# KiCad board mtk64_R_rev2.kicad_pcb (continued)
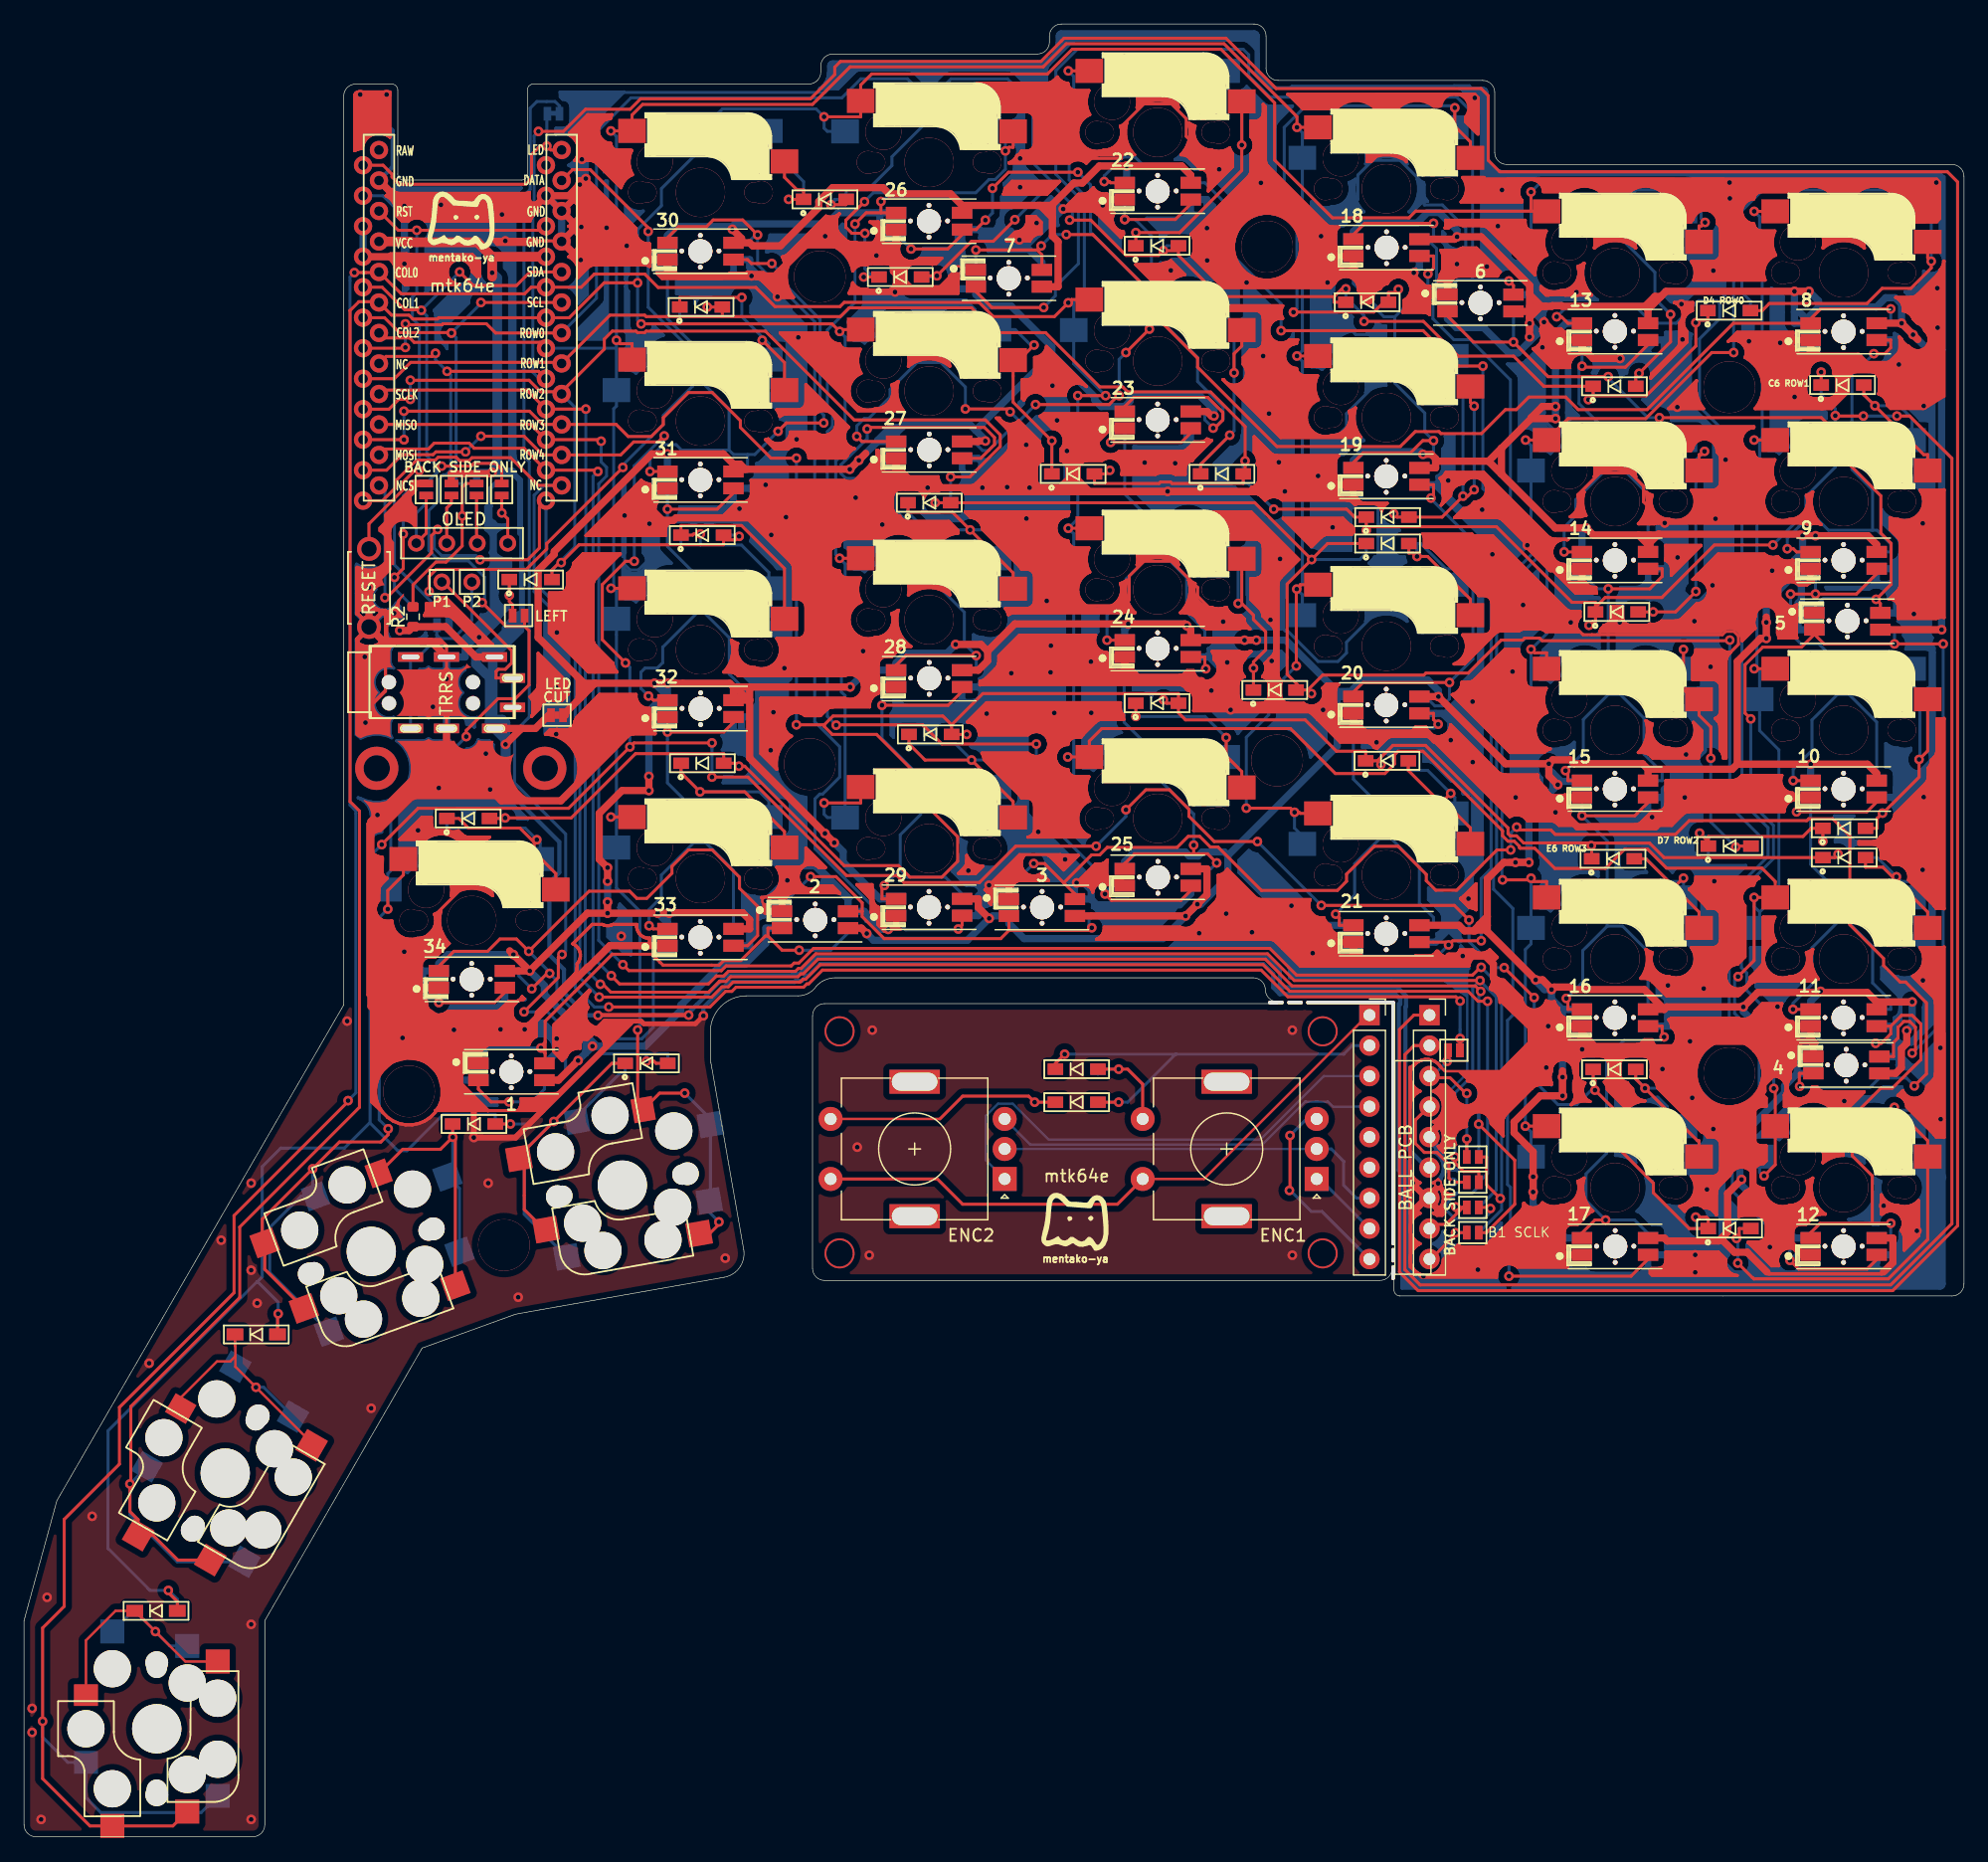
[diagram p0: board, top side]
## Routing (per net, layer and track width the routed paths; a pad name or vN(x,y) marks a point on that pad's centre or on a via; arc(x,y) is an arc through that point) (continued)
142.61,55.67 ; 142.8,55.75 142.61,55.67 ; 129.94,124.8 129.96,124.8 ; 129.94,124.8 129.94,124.82 ; 129.94,124.8 129.94,124.82 ; 129.94,124.8 129.96,124.8 ; 129.96,124.8 129.96,124.55 ; 129.96,124.8 129.96,124.55 ; 84.46,123.27 84.65,123.34 ; 84.46,123.27 84.65,123.34 ; 89.57,79.45 89.76,79.53 ; 89.57,79.45 89.76,79.53 ; 121.86,112.11 121.86,112.31 ; 121.86,112.11 121.86,112.31 ; 121.86,112.11 121.82,111.91 ; 121.86,112.11 121.82,111.91 ; 121.86,112.31 121.82,112.51 ; 121.86,112.31 121.82,112.51 ; 126.47,125.96 126.47,126.16 ; 126.47,125.96 126.43,125.76 ; 126.47,125.96 126.43,125.76 ; 126.47,125.96 126.47,126.16 ; 126.47,126.16 126.45,126.25 ; 126.47,126.16 126.45,126.25 ; 124.64,137.5 124.56,137.31 ; 124.64,137.5 124.56,137.31 ; 82.08,139.44 82.26,139.51 ; 82.08,139.44 82.26,139.51 ; 82.26,139.51 82.43,139.63 ; 82.26,139.51 82.43,139.63 ; 102.87,114 102.86,114.13 ; 102.87,114 102.87,113.05 ; 102.87,114 102.86,114.13 ; 102.87,114 102.87,113.05 ; 118.26,111.62 118.22,111.82 ; 118.26,111.62 118.22,111.82 ; 118.26,111.62 118.26,111.42 ; 118.26,111.62 118.26,111.42 ; 118.22,111.82 118.2,111.88 ; 118.22,111.82 118.2,111.88 ; 79.82,109.16 79.75,109.35 ; 79.82,109.16 79.86,108.96 ; 79.82,109.16 79.75,109.35 ; 79.82,109.16 79.86,108.96 ; 79.75,109.35 79.63,109.52 ; 79.75,109.35 79.63,109.52 ; 126.71,126.31 126.78,126.13 ; 126.71,126.31 126.78,126.13 ; 126.71,126.31 126.67,126.47 ; 126.71,126.31 126.67,126.47 ; 126.78,126.13 126.9,125.96 ; 126.78,126.13 126.9,125.96 ; 104.48,96.83 104.48,96.8 ; 104.48,96.83 104.48,96.8 ; 104.48,96.83 104.48,96.87 ; 104.48,96.83 104.48,96.87 ; 104.48,96.8 104.49,96.69 ; 104.48,96.8 104.49,96.69 ; 102.54,78.32 100.26,80.59 ; 102.54,78.32 100.26,80.59 ; 43,94.24 42.97,94.12 ; 43,94.24 43.06,94.35 ; 43,94.24 42.97,94.12 ; 43,94.24 43.06,94.35 ; 42.97,94.12 42.95,94 ; 42.97,94.12 42.95,94 ; 141.35,114.81 141.34,114.93 ; 141.35,114.81 141.35,112.81 ; 141.35,114.81 141.35,112.81 ; 141.35,114.81 141.34,114.93 ; 141.34,114.93 141.3,115.05 ; 141.34,114.93 141.3,115.05 ; 139.04,131.03 139.16,130.74 ; 139.04,131.03 139.16,130.74 ; 71.06,118.94 71.34,119 ; 71.06,118.94 71.34,119 ; 154.42,122.54 154.61,122.62 ; 154.42,122.54 154.22,122.5 ; 154.42,122.54 154.22,122.5 ; 154.42,122.54 154.61,122.62 ; 154.61,122.62 154.78,122.73 ; 154.61,122.62 154.78,122.73 ; 68.03,105.14 68.11,105.04 ; 68.03,105.14 67.97,105.25 ; 68.03,105.14 68.11,105.04 ; 68.03,105.14 67.97,105.25 ; 126.28,62.66 126.16,62.64 ; 126.28,62.66 126.33,62.66 ; 126.28,62.66 126.33,62.66 ; 126.28,62.66 126.16,62.64 ; 147.53,105.5 147.38,105.34 ; 147.53,105.5 148.73,105.5 ; 147.53,105.5 147.38,105.34 ; 147.53,105.5 148.73,105.5 ; 147.38,105.34 147.37,105.13 ; 147.38,105.34 147.37,105.13 ; 89.54,102.29 89.84,102.35 ; 89.54,102.29 89.84,102.35 ; 89.54,102.29 89.22,102.29 ; 89.54,102.29 89.22,102.29 ; 89.84,102.35 89.94,102.39 ; 89.84,102.35 89.94,102.39 ; 35.63,78.66 35.63,79.08 ; 35.63,78.66 35.58,78.4 ; 35.63,78.66 35.63,79.08 ; 35.63,78.66 35.58,78.4 ; 35.63,79.08 35.57,79.42 ; 35.63,79.08 35.57,79.42 ; 102,123.64 102.04,123.69 ; 102,123.64 102.04,123.69 ; 102.04,123.69 102.09,123.76 ; 102.04,123.69 102.09,123.76 ; 73.46,99.16 73.43,99.15 ; 73.46,99.16 73.5,99.15 ; 73.46,99.16 73.43,99.15 ; 73.46,99.16 73.5,99.15 ; 73.43,99.15 73.31,99.14 ; 73.43,99.15 73.31,99.14 ; 82.05,115.53 82.08,115.66 ; 82.05,115.53 82.08,115.66 ; 135.58,92.03 135.63,91.74 ; 135.58,92.03 135.63,91.74 ; 135.58,92.03 135.58,92.32 ; 135.58,92.03 135.58,92.32 ; 135.63,91.74 135.74,91.47 ; 135.63,91.74 135.74,91.47 ; 102.25,134.92 101.79,134.61 ; 102.25,134.92 101.79,134.61 ; 97.19,95.43 97.08,95.49 ; 97.19,95.43 97.08,95.49 ; 97.08,95.49 96.96,95.53 ; 97.08,95.49 96.96,95.53 ; 53.63,109.35 53.55,109.26 ; 53.63,109.35 53.55,109.26 ; 115.43,128.42 115.5,128.6 ; 115.43,128.42 115.5,128.6 ; 28.43,131.62 28.44,131.63 ; 28.43,131.62 28.44,131.63 ; 84.88,114.63 84.86,114.63 ; 84.88,114.63 84.86,114.63 ; 84.88,114.63 84.88,115.57 ; 84.88,114.63 84.88,115.57 ; 72.66,108.59 72.25,108.51 ; 72.66,108.59 72.25,108.51 ; 141.35,57.66 141.34,57.78 ; 141.35,57.66 141.35,55.66 ; 141.35,57.66 141.34,57.78 ; 141.35,57.66 141.35,55.66 ; 141.34,57.78 141.3,57.9 ; 141.34,57.78 141.3,57.9 ; 104.08,126.26 103.93,126.12 ; 104.08,126.26 103.93,126.12 ; 104.08,126.26 104.25,126.37 ; 104.08,126.26 104.25,126.37 ; 103.93,126.12 103.82,125.95 ; 103.93,126.12 103.82,125.95 ; 72.42,111.84 72.38,111.73 ; 72.42,111.84 72.38,111.73 ; 72.38,111.73 72.37,111.6 ; 72.38,111.73 72.37,111.6 ; 155.84,52.1 155.64,52.14 ; 155.84,52.1 156.03,52.02 ; 155.84,52.1 156.03,52.02 ; 155.84,52.1 155.64,52.14 ; 104.39,115.04 104.43,115.05 ; 104.39,115.04 104.35,115.05 ; 104.39,115.04 104.35,115.05 ; 104.39,115.04 104.43,115.05 ; 104.43,115.05 109.54,115.05 ; 104.43,115.05 109.54,115.05 ; 129.4,137.41 129.01,137.25 ; 129.4,137.41 129.01,137.25 ; 129.4,137.41 129.81,137.49 ; 129.4,137.41 129.81,137.49 ; 129.01,137.25 128.66,137.01 ; 129.01,137.25 128.66,137.01 ; 64.85,115.76 64.66,115.83 ; 64.85,115.76 64.66,115.83 ; 64.66,115.83 64.46,115.87 ; 64.66,115.83 64.46,115.87 ; 103.1,78.06 103.14,78.07 ; 103.1,78.06 103.14,78.07 ; 103.1,78.06 103.06,78.07 ; 103.1,78.06 103.06,78.07 ; 103.14,78.07 107.17,78.07 ; 103.14,78.07 107.17,78.07 ; 103.09,94.41 103.21,94.42 ; 103.09,94.41 103.21,94.42 ; 103.09,94.41 101.78,94.41 ; 103.09,94.41 101.78,94.41 ; 103.21,94.42 103.33,94.46 ; 103.21,94.42 103.33,94.46 ; 88.11,139.65 87.91,139.69 ; 88.11,139.65 88.3,139.57 ; 88.11,139.65 88.3,139.57 ; 88.11,139.65 87.91,139.69 ; 87.91,139.69 87.7,139.69 ; 87.91,139.69 87.7,139.69 ; 141.34,133.98 141.3,134.1 ; 141.34,133.98 141.3,134.1 ; 45.51,134.22 45.58,134.46 ; 45.51,134.22 45.58,134.46 ; 52.12,74.35 52.12,74.28 ; 52.12,74.35 52.28,74.35 ; 52.12,74.35 52.28,74.35 ; 52.12,74.35 52.12,74.28 ; 52.12,74.28 49.05,74.28 ; 52.12,74.28 49.05,74.28 ; 118.75,128.33 118.73,128.33 ; 118.75,128.33 118.73,128.33 ; 118.75,128.33 118.75,128.59 ; 118.75,128.33 118.75,128.59 ; 118.73,128.33 118.73,128.31 ; 118.73,128.33 118.73,128.31 ; 156.57,127.17 156.57,127.37 ; 156.57,127.17 156.57,127.37 ; 156.57,127.17 156.56,127.11 ; 156.57,127.17 156.56,127.11 ; 156.57,127.37 156.53,127.57 ; 156.57,127.37 156.53,127.57 ; 124.87,100.59 124.73,100.55 ; 124.87,100.59 124.73,100.55 ; 124.87,100.59 124.98,100.61 ; 124.87,100.59 124.98,100.61 ; 124.73,100.55 124.6,100.48 ; 124.73,100.55 124.6,100.48 ; 30.65,76.17 30.71,75.86 ; 30.65,76.17 30.71,75.86 ; 140.87,52.01 140.84,52.03 ; 140.87,52.01 140.96,51.89 ; 140.87,52.01 140.96,51.89 ; 140.87,52.01 140.84,52.03 ; 140.84,52.03 140.74,52.13 ; 140.84,52.03 140.74,52.13 ; 157.35,126.57 157.24,126.74 ; 157.35,126.57 157.41,126.42 ; 157.35,126.57 157.41,126.42 ; 157.35,126.57 157.24,126.74 ; 157.24,126.74 157.1,126.88 ; 157.24,126.74 157.1,126.88 ; 159.15,89.92 159.24,90.03 ; 159.15,89.92 159.12,89.89 ; 159.15,89.92 159.12,89.89 ; 159.15,89.92 159.24,90.03 ; 159.24,90.03 159.32,90.17 ; 159.24,90.03 159.32,90.17 ; 53.76,131.5 53.76,131.25 ; 53.76,131.5 53.76,131.25 ; 53.76,131.5 53.74,131.5 ; 53.76,131.5 53.74,131.5 ; 52.76,130.24 53.32,130.24 ; 52.76,130.24 52.72,130.24 ; 52.76,130.24 52.72,130.24 ; 52.76,130.24 53.32,130.24 ; 53.32,130.24 53.48,130.4 ; 53.32,130.24 53.48,130.4 ; 63.03,77.22 63.03,78.07 ; 63.03,77.22 63.01,77.22 ; 63.03,77.22 63.03,78.07 ; 63.03,77.22 63.01,77.22 ; 63.03,78.07 62.87,78.23 ; 63.03,78.07 62.87,78.23 ; 110.5,118.37 110.44,118.66 ; 110.5,118.37 110.44,118.66 ; 110.44,118.66 110.4,118.75 ; 110.44,118.66 110.4,118.75 ; 111.74,92.03 115.28,92.03 ; 111.74,92.03 111.71,92.03 ; 111.74,92.03 115.28,92.03 ; 111.74,92.03 111.71,92.03 ; 115.28,92.03 115.31,92.03 ; 115.28,92.03 115.31,92.03 ; 84.77,118.38 84.94,118.5 ; 84.77,118.38 84.65,118.34 ; 84.77,118.38 84.94,118.5 ; 84.77,118.38 84.65,118.34 ; 84.94,118.5 84.98,118.54 ; 84.94,118.5 84.98,118.54 ; 32.04,131.8 32.19,131.79 ; 32.04,131.8 32.19,131.79 ; 32.04,131.8 31.88,131.85 ; 32.04,131.8 31.88,131.85 ; 32.19,131.79 32.24,131.78 ; 32.19,131.79 32.24,131.78 ; 119.15,97.69 119.34,97.77 ; 119.15,97.69 120.01,97.69 ; 119.15,97.69 119.34,97.77 ; 119.15,97.69 120.01,97.69 ; 119.34,97.77 119.6,97.94 ; 119.34,97.77 119.6,97.94 ; 52.57,110.69 52.57,110.49 ; 52.57,110.69 52.61,110.89 ; 52.57,110.69 52.57,110.49 ; 52.57,110.69 52.61,110.89 ; 52.57,110.49 52.61,110.29 ; 52.57,110.49 52.61,110.29 ; 103.82,125.95 103.74,125.76 ; 103.82,125.95 103.74,125.76 ; 103.74,125.76 103.7,125.56 ; 103.74,125.76 103.7,125.56 ; 79.44,146.08 85.24,146.08 ; 79.44,146.08 79.61,145.92 ; 79.44,146.08 85.24,146.08 ; 79.44,146.08 79.61,145.92 ; 85.24,146.08 85.28,146.08 ; 85.24,146.08 85.28,146.08 ; 63.44,92.14 63.55,91.97 ; 63.44,92.14 63.36,92.32 ; 63.44,92.14 63.55,91.97 ; 63.44,92.14 63.36,92.32 ; 63.55,91.97 63.7,91.82 ; 63.55,91.97 63.7,91.82 ; 122.25,100.51 122.29,100.63 ; 122.25,100.51 122.29,100.63 ; 122.25,100.51 122.19,100.4 ; 122.25,100.51 122.19,100.4 ; 122.29,100.63 122.3,100.76 ; 122.29,100.63 122.3,100.76 ; 142.88,51.67 142.88,53.2 ; 142.88,51.67 142.98,51.73 ; 142.88,51.67 142.88,53.2 ; 142.88,51.67 142.98,51.73 ; 142.88,53.2 143.45,53.77 ; 142.88,53.2 143.45,53.77 ; 69.4,132.77 69.57,132.65 ; 69.4,132.77 69.35,132.81 ; 69.4,132.77 69.57,132.65 ; 69.4,132.77 69.35,132.81 ; 69.57,132.65 69.75,132.57 ; 69.57,132.65 69.75,132.57 ; 123.62,47.73 123.42,47.69 ; 123.62,47.73 123.42,47.69 ; 69.75,121.9 69.71,121.95 ; 69.75,121.9 69.71,121.95 ; 47.31,94.5 47.34,94.53 ; 47.31,94.5 47.34,94.53 ; 71.22,114.08 71.28,113.97 ; 71.22,114.08 71.18,114.2 ; 71.22,114.08 71.28,113.97 ; 71.22,114.08 71.18,114.2 ; 113.53,91.47 113.51,91.45 ; 113.53,91.47 113.62,91.55 ; 113.53,91.47 113.62,91.55 ; 113.53,91.47 113.51,91.45 ; 113.51,91.45 113.48,91.42 ; 113.51,91.45 113.48,91.42 ; 119.18,58.23 119.18,58.02 ; 119.18,58.23 119.21,58.43 ; 119.18,58.23 119.18,58.02 ; 119.18,58.23 119.21,58.43 ; 119.18,58.02 119.21,57.82 ; 119.18,58.02 119.21,57.82 ; 88.92,135.43 88.88,135.43 ; 88.92,135.43 88.88,135.43 ; 88.92,135.43 89.03,135.42 ; 88.92,135.43 89.03,135.42 ; 88.88,135.43 88.84,135.43 ; 88.88,135.43 88.84,135.43 ; 158.93,89.64 158.93,89.7 ; 158.93,89.64 158.93,89.7 ; 158.93,89.7 159.12,89.89 ; 158.93,89.7 159.12,89.89 ; 110.63,93.45 109.43,93.45 ; 110.63,93.45 110.63,92.6 ; 110.63,93.45 110.63,92.6 ; 110.63,93.45 109.43,93.45 ; 81.07,97.43 80.95,97.29 ; 81.07,97.43 80.95,97.29 ; 117.09,107.4 116.98,107.41 ; 117.09,107.4 116.98,107.41 ; 85.22,136.83 84.72,136.83 ; 85.22,136.83 84.72,136.83 ; 85.22,136.83 86.29,137.9 ; 85.22,136.83 86.29,137.9 ; 84.72,136.83 84.67,136.83 ; 84.72,136.83 84.67,136.83 ; 144.52,79.83 144.41,79.78 ; 144.52,79.83 144.41,79.78 ; 144.52,79.83 144.56,79.85 ; 144.52,79.83 144.56,79.85 ; 144.41,79.78 144.31,79.7 ; 144.41,79.78 144.31,79.7 ; 149.84,123.13 153.17,123.13 ; 149.84,123.13 149.81,123.13 ; 149.84,123.13 149.81,123.13 ; 149.84,123.13 153.17,123.13 ; 153.17,123.13 153.2,123.05 ; 153.17,123.13 153.2,123.05 ; 68.58,115.99 68.73,115.84 ; 68.58,115.99 68.47,116.16 ; 68.58,115.99 68.73,115.84 ; 68.58,115.99 68.47,116.16 ; 68.73,115.84 68.9,115.73 ; 68.73,115.84 68.9,115.73 ; 142.61,55.67 142.44,55.56 ; 142.61,55.67 142.44,55.56 ; 81.14,143.68 81.02,143.65 ; 81.14,143.68 81.26,143.69 ; 81.14,143.68 81.26,143.69 ; 81.14,143.68 81.02,143.65 ; 81.02,143.65 80.91,143.59 ; 81.02,143.65 80.91,143.59 ; 66.78,80.74 66.24,80.74 ; 66.78,80.74 66.24,80.74 ; 71.17,96.68 71.18,96.55 ; 71.17,96.68 71.18,96.55 ; 71.17,96.68 71.17,97.68 ; 71.17,96.68 71.17,97.68 ; 71.18,96.55 71.21,96.48 ; 71.18,96.55 71.21,96.48 ; 130.47,52.36 130.72,52.12 ; 130.47,52.36 130.72,52.12 ; 90.22,80.13 90.23,80 ; 90.22,80.13 90.22,81.13 ; 90.22,80.13 90.22,81.13 ; 90.22,80.13 90.23,80 ; 90.23,80 90.26,79.93 ; 90.23,80 90.26,79.93 ; 134.29,132.35 134.27,132.36 ; 134.29,132.35 134.27,132.36 ; 134.27,132.36 133.83,132.66 ; 134.27,132.36 133.83,132.66 ; 29.77,137.98 29.75,137.97 ; 29.77,137.98 29.75,137.97 ; 29.77,137.98 29.59,138.16 ; 29.77,137.98 29.59,138.16 ; 72.34,100.94 72.4,101.23 ; 72.34,100.94 72.4,101.23 ; 72.4,101.23 72.4,101.52 ; 72.4,101.23 72.4,101.52 ; 91.39,133.23 91.4,133.24 ; 91.39,133.23 91.4,133.24 ; 83.82,80.07 84.02,80.03 ; 83.82,80.07 83.63,80.15 ; 83.82,80.07 83.63,80.15 ; 83.82,80.07 84.02,80.03 ; 84.02,80.03 84.23,80.03 ; 84.02,80.03 84.23,80.03 ; 116.59,127 116.63,126.99 ; 116.59,127 116.63,126.99 ; 118.73,128.31 118.47,128.31 ; 118.73,128.31 118.47,128.31 ; 140.71,58.29 140.25,58.29 ; 140.71,58.29 140.25,58.29 ; 86.55,115.79 86.63,115.98 ; 86.55,115.79 86.63,115.98 ; 86.63,115.98 86.67,116.18 ; 86.63,115.98 86.67,116.18 ; 44.79,133.06 45.58,133.85 ; 44.79,133.06 45.58,133.85 ; 45.58,133.85 45.51,134.09 ; 45.58,133.85 45.51,134.09 ; 73.24,131.46 73.41,131.34 ; 73.24,131.46 73.1,131.6 ; 73.24,131.46 73.1,131.6 ; 73.24,131.46 73.41,131.34 ; 134.71,71.51 134.97,71.51 ; 134.71,71.51 134.97,71.51 ; 61.81,130.14 62,130.06 ; 61.81,130.14 62,130.06 ; 61.81,130.14 61.64,130.25 ; 61.81,130.14 61.64,130.25 ; 125.02,100.61 124.98,100.61 ; 125.02,100.61 125.06,100.61 ; 125.02,100.61 125.06,100.61 ; 125.02,100.61 124.98,100.61 ; 58.55,129.94 58.65,130.03 ; 58.55,129.94 58.43,129.88 ; 58.55,129.94 58.65,130.03 ; 58.55,129.94 58.43,129.88 ; 58.65,130.03 58.74,130.14 ; 58.65,130.03 58.74,130.14 ; 80.58,78.39 80.73,78.23 ; 80.58,78.39 80.73,78.23 ; 116.94,107.41 116.91,107.41 ; 116.94,107.41 116.91,107.41 ; 116.94,107.41 116.98,107.41 ; 116.94,107.41 116.98,107.41 ; 116.91,107.41 116.77,107.41 ; 116.91,107.41 116.77,107.41 ; 123.22,109.67 123.1,109.76 ; 123.22,109.67 123.24,109.64 ; 123.22,109.67 123.24,109.64 ; 123.22,109.67 123.1,109.76 ; 123.1,109.76 122.97,109.83 ; 123.1,109.76 122.97,109.83 ; 76.19,123.01 75.67,123.11 ; 76.19,123.01 76.68,122.81 ; 76.19,123.01 76.68,122.81 ; 76.19,123.01 75.67,123.11 ; 75.67,123.11 75.15,123.11 ; 75.67,123.11 75.15,123.11 ; 120.36,96.17 120.48,96.18 ; 120.36,96.17 120.33,96.17 ; 120.36,96.17 120.33,96.17 ; 120.36,96.17 120.48,96.18 ; 120.48,96.18 120.62,96.23 ; 120.48,96.18 120.62,96.23 ; 95.64,145.4 95.99,145.16 ; 95.64,145.4 95.34,145.69 ; 95.64,145.4 95.99,145.16 ; 95.64,145.4 95.34,145.69 ; 95.99,145.16 96.2,145.07 ; 95.99,145.16 96.2,145.07 ; 80.58,143.67 80.23,143.91 ; 80.58,143.67 80.23,143.91 ; 43.24,94.53 43.14,94.45 ; 43.24,94.53 43.35,94.59 ; 43.24,94.53 43.14,94.45 ; 43.24,94.53 43.35,94.59 ; 43.14,94.45 43.06,94.35 ; 43.14,94.45 43.06,94.35 ; 127.3,86.72 127.49,86.64 ; 127.3,86.72 127.49,86.64 ; 127.49,86.64 127.69,86.6 ; 127.49,86.64 127.69,86.6 ; 120.11,98.71 119.99,98.42 ; 120.11,98.71 119.99,98.42 ; 147.53,86.45 147.47,86.38 ; 147.53,86.45 147.47,86.38 ; 147.53,86.45 148.73,86.45 ; 147.53,86.45 148.73,86.45 ; 77.82,128.62 77.83,128.57 ; 77.82,128.62 77.83,128.57 ; 77.82,128.62 77.82,129.62 ; 77.82,128.62 77.82,129.62 ; 77.83,128.57 68.73,128.57 ; 77.83,128.57 68.73,128.57 ; 50.18,91.78 49.99,91.7 ; 50.18,91.78 49.99,91.7 ; 95.61,111.97 95.65,111.96 ; 95.61,111.97 95.65,111.96 ; 95.61,111.97 95.5,111.98 ; 95.61,111.97 95.5,111.98 ; 95.65,111.96 95.69,111.97 ; 95.65,111.96 95.69,111.97 ; 104.51,104.56 104.49,104.5 ; 104.51,104.56 104.49,104.5 ; 121.88,49.22 121.98,49.3 ; 121.88,49.22 121.77,49.16 ; 121.88,49.22 121.98,49.3 ; 121.88,49.22 121.77,49.16 ; 121.98,49.3 122.06,49.4 ; 121.98,49.3 122.06,49.4 ; 45.38,131.61 45.4,131.62 ; 45.38,131.61 45.46,131.58 ; 45.38,131.61 45.46,131.58 ; 45.38,131.61 45.4,131.62 ; 45.4,131.62 45.51,131.68 ; 45.4,131.62 45.51,131.68 ; 91.58,136.5 91.58,136.52 ; 91.58,136.5 90.38,136.5 ; 91.58,136.5 90.38,136.5 ; 91.58,136.5 91.58,136.52 ; 91.58,136.52 91.84,136.52 ; 91.58,136.52 91.84,136.52 ; 118.25,53.01 118.26,53.28 ; 118.25,53.01 118.26,53.28 ; 118.26,53.28 118.22,53.55 ; 118.26,53.28 118.22,53.55 ; 98.51,100.63 98.41,100.71 ; 98.51,100.63 98.52,100.61 ; 98.51,100.63 98.52,100.61 ; 98.51,100.63 98.41,100.71 ; 98.41,100.71 98.3,100.77 ; 98.41,100.71 98.3,100.77 ; 144.52,133.81 144.64,133.77 ; 144.52,133.81 144.64,133.77 ; 144.64,133.77 144.76,133.76 ; 144.64,133.77 144.76,133.76 ; 122.11,103.21 122.01,103.29 ; 122.11,103.21 122.19,103.11 ; 122.11,103.21 122.19,103.11 ; 122.11,103.21 122.01,103.29 ; 122.01,103.29 121.9,103.35 ; 122.01,103.29 121.9,103.35 ; 94.39,113.55 94.54,113.6 ; 94.39,113.55 94.54,113.6 ; 86.3,89.14 86.47,89.03 ; 86.3,89.14 86.16,89.29 ; 86.3,89.14 86.47,89.03 ; 86.3,89.14 86.16,89.29 ; 86.47,89.03 86.66,88.95 ; 86.47,89.03 86.66,88.95 ; 145.07,129.67 139.1,129.67 ; 145.07,129.67 145.01,129.81 ; 145.07,129.67 139.1,129.67 ; 145.07,129.67 145.01,129.81 ; 139.1,129.67 139.16,129.81 ; 139.1,129.67 139.16,129.81 ; 119.25,95.23 119.42,95.35 ; 119.25,95.23 119.07,95.16 ; 119.25,95.23 119.07,95.16 ; 119.25,95.23 119.42,95.35 ; 119.42,95.35 119.57,95.49 ; 119.42,95.35 119.57,95.49 ; 72.79,113.85 72.79,114.7 ; 72.79,113.85 72.79,114.7 ; 87.08,145.74 87.16,145.64 ; 87.08,145.74 87.02,145.85 ; 87.08,145.74 87.16,145.64 ; 87.08,145.74 87.02,145.85 ; 87.16,145.64 87.26,145.57 ; 87.16,145.64 87.26,145.57 ; 84.4,114.24 84.36,114.13 ; 84.4,114.24 84.36,114.13 ; 84.36,114.13 84.35,114 ; 84.36,114.13 84.35,114 ; 120.01,97.69 122.51,100.19 ; 120.01,97.69 122.51,100.19 ; 88.46,120.85 88.29,120.96 ; 88.46,120.85 88.29,120.96 ; 88.29,120.96 88.1,121.04 ; 88.29,120.96 88.1,121.04 ; 125.63,62.35 125.66,62.39 ; 125.63,62.35 125.66,62.39 ; 101.79,98.64 101.99,98.68 ; 101.79,98.64 101.59,98.64 ; 101.79,98.64 101.99,98.68 ; 101.79,98.64 101.59,98.64 ; 101.99,98.68 102.14,98.74 ; 101.99,98.68 102.14,98.74 ; 143.49,115.54 143.66,115.43 ; 143.49,115.54 143.66,115.43 ; 118,130.08 118,130.14 ; 118,130.08 118,130.14 ; 87.7,139.69 87.5,139.65 ; 87.7,139.69 87.5,139.65 ; 109.48,129.74 109.64,129.86 ; 109.48,129.74 109.64,129.86 ; 143.67,136.31 143.5,136.2 ; 143.67,136.31 143.85,136.39 ; 143.67,136.31 143.5,136.2 ; 143.67,136.31 143.85,136.39 ; 140.94,115.9 140.82,116.07 ; 140.94,115.9 140.82,116.07 ; 115.99,49.59 116.21,49.44 ; 115.99,49.59 116.21,49.44 ; 30.97,130.48 30.92,130.75 ; 30.97,130.48 30.97,130.21 ; 30.97,130.48 30.97,130.21 ; 30.97,130.48 30.92,130.75 ; 137.18,68.14 137.24,68.19 ; 137.18,68.14 137.24,68.19 ; 156.28,124.82 156.25,124.94 ; 156.28,124.82 156.3,124.68 ; 156.28,124.82 156.3,124.68 ; 156.28,124.82 156.25,124.94 ; 156.25,124.94 156.41,124.78 ; 156.25,124.94 156.41,124.78 ; 125.71,133.76 126.83,133.76 ; 125.71,133.76 126.83,133.76 ; 86.53,114.59 86.41,114.63 ; 86.53,114.59 86.41,114.63 ; 86.53,114.59 86.64,114.53 ; 86.53,114.59 86.64,114.53 ; 86.41,114.63 86.4,114.63 ; 86.41,114.63 86.4,114.63 ; 138.87,134.49 138.41,134.49 ; 138.87,134.49 138.41,134.49 ; 138.41,134.49 138.29,134.48 ; 138.41,134.49 138.29,134.48 ; 147.48,50.73 147.42,50.62 ; 147.48,50.73 147.42,50.62 ; 41.76,67.68 41.96,67.72 ; 41.76,67.68 41.96,67.72 ; 41.41,60.91 41.33,60.73 ; 41.41,60.91 41.45,61.11 ; 41.41,60.91 41.33,60.73 ; 41.41,60.91 41.45,61.11 ; 41.33,60.73 41.21,60.56 41.33,60.73 ; 134.76,61.36 134.96,61.32 ; 134.76,61.36 134.57,61.44 ; 134.76,61.36 134.57,61.44 ; 134.76,61.36 134.96,61.32 ; 134.96,61.32 135.02,61.32 ; 134.96,61.32 135.02,61.32 ; 64.51,103.09 64.12,103.09 ; 64.51,103.09 64.12,103.09 ; 64.51,103.09 64.63,103.08 ; 64.51,103.09 64.63,103.08 ; 64.12,103.09 64.12,105.61 ; 64.12,103.09 64.12,105.61 ; 149.5,71.44 149.38,71.42 ; 149.5,71.44 149.23,71.85 ; 149.5,71.44 149.23,71.85 ; 149.5,71.44 149.38,71.42 ; 149.38,71.42 149.19,71.34 ; 149.38,71.42 149.19,71.34 ; 129.94,48.33 129.68,48.33 ; 129.94,48.33 129.94,48.35 ; 129.94,48.33 129.94,48.35 ; 129.94,48.33 129.68,48.33 ; 129.68,48.33 129.68,48.35 ; 129.68,48.33 129.68,48.35 ; 47.77,94.96 47.8,95 ; 47.77,94.96 47.8,95 ; 47.8,95 47.96,95.15 ; 47.8,95 47.96,95.15 ; 68.47,116.16 68.39,116.35 ; 68.47,116.16 68.39,116.35 ; 127.63,108.09 128.66,108.09 ; 127.63,108.09 127.59,108.08 ; 127.63,108.09 127.59,108.08 ; 127.63,108.09 128.66,108.09 ; 128.66,108.09 128.61,108.06 ; 128.66,108.09 128.61,108.06 ; 116.69,58.29 116.68,58.3 ; 116.69,58.29 116.68,58.28 ; 116.69,58.29 116.68,58.28 ; 116.69,58.29 116.68,58.3 ; 116.68,58.3 116.86,58.48 ; 116.68,58.3 116.86,58.48 ; 91.57,140.17 91.43,140.11 ; 91.57,140.17 91.43,140.11 ; 127.59,108.08 127.4,108.1 ; 127.59,108.08 127.4,108.1 ; 70.55,134.49 70.72,134.37 